# KiCad board OPDM.kicad_pcb (continued)
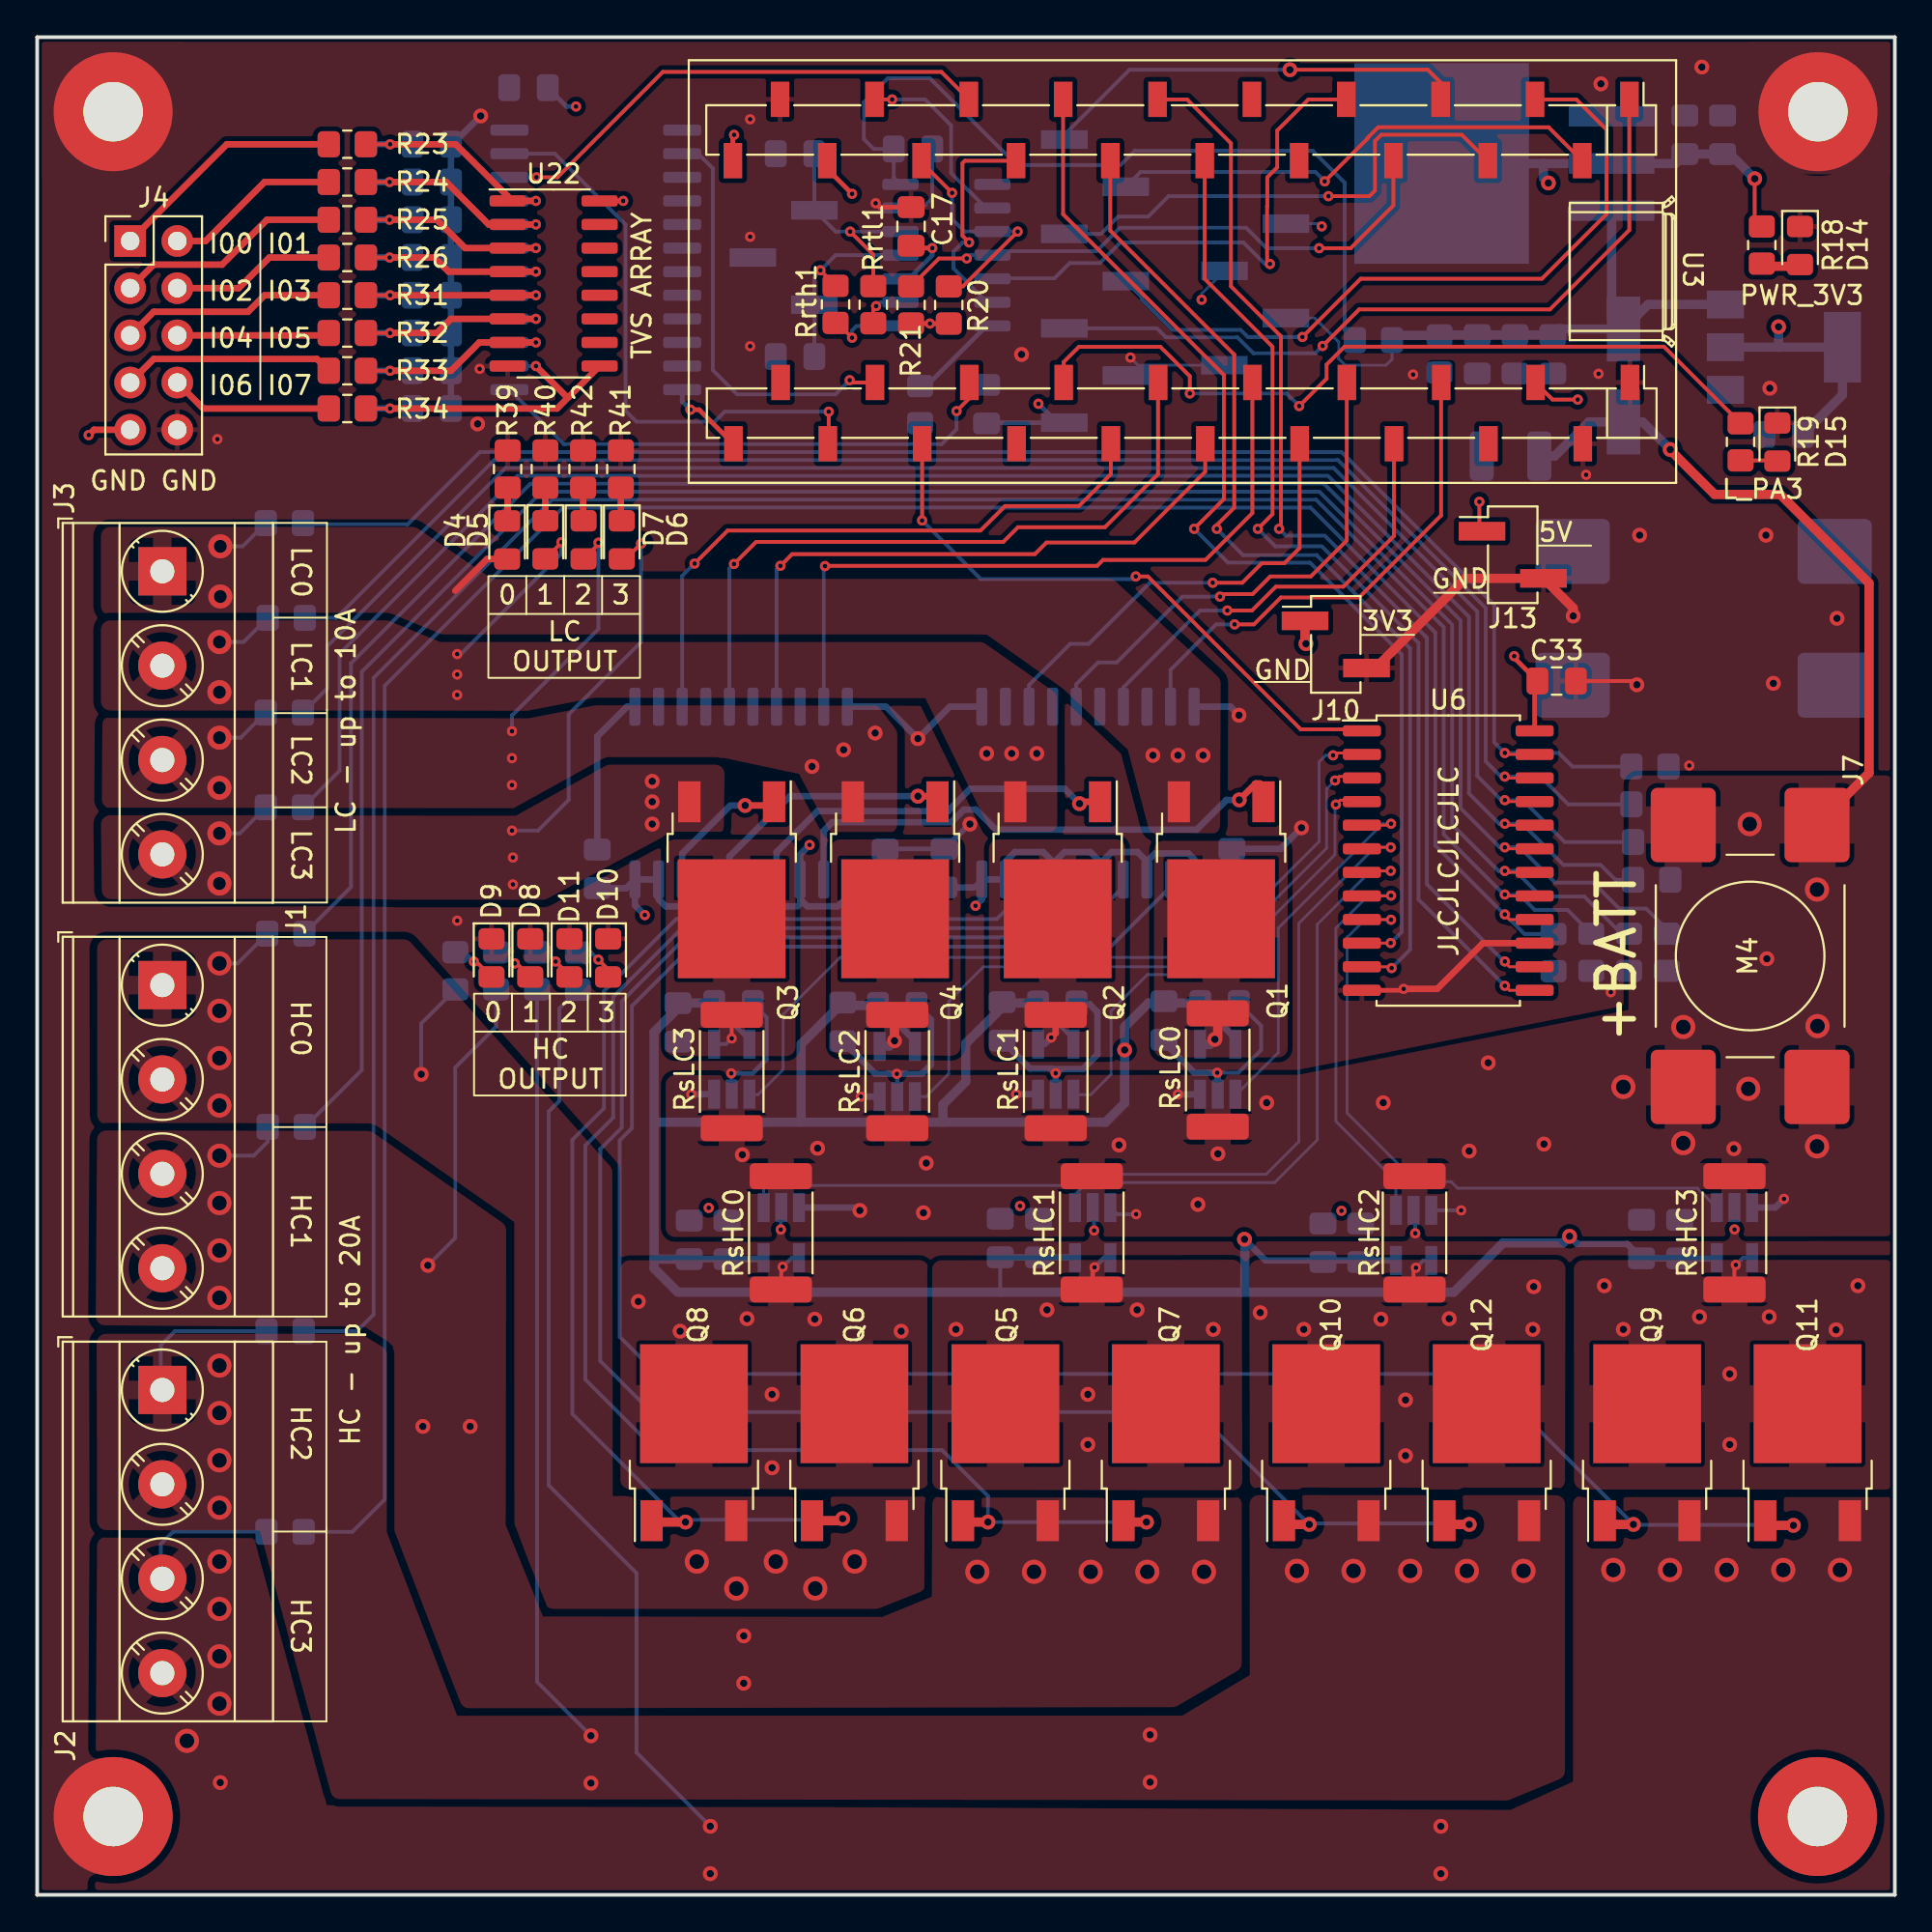
[diagram p0: board, top side]
## Text on the board (continued)
F.Silkscreen: GND GND | I00 I01 | I02 I03 | I04 I05 | I06 I07 | 0 | 1 | HC / OUTPUT | LC / OUTPUT | 2 | 3 | GND | 3V3 | 5V | L_PA3 | PWR_3V3 | LC - up to 10A | HC - up to 20A | TVS ARRAY | JLCJLCJLCJLC | HC0 | HC1 | HC2 | HC3 | LC0 | LC1 | LC2 | LC3 | +BATT
